# Altium PCB STM32最小系统.PcbDoc (part 4 of 4)
Units mil, origin at the board's own origin, x right, y up, seen from the top; angles counter-clockwise.
Board outline 25145 x 22655 mil, 2 copper layers (Top Layer, Bottom Layer); 72 components, 145 nets, 556 pads, 0 vias.
Unrouted connection lines stored in the file: 8.
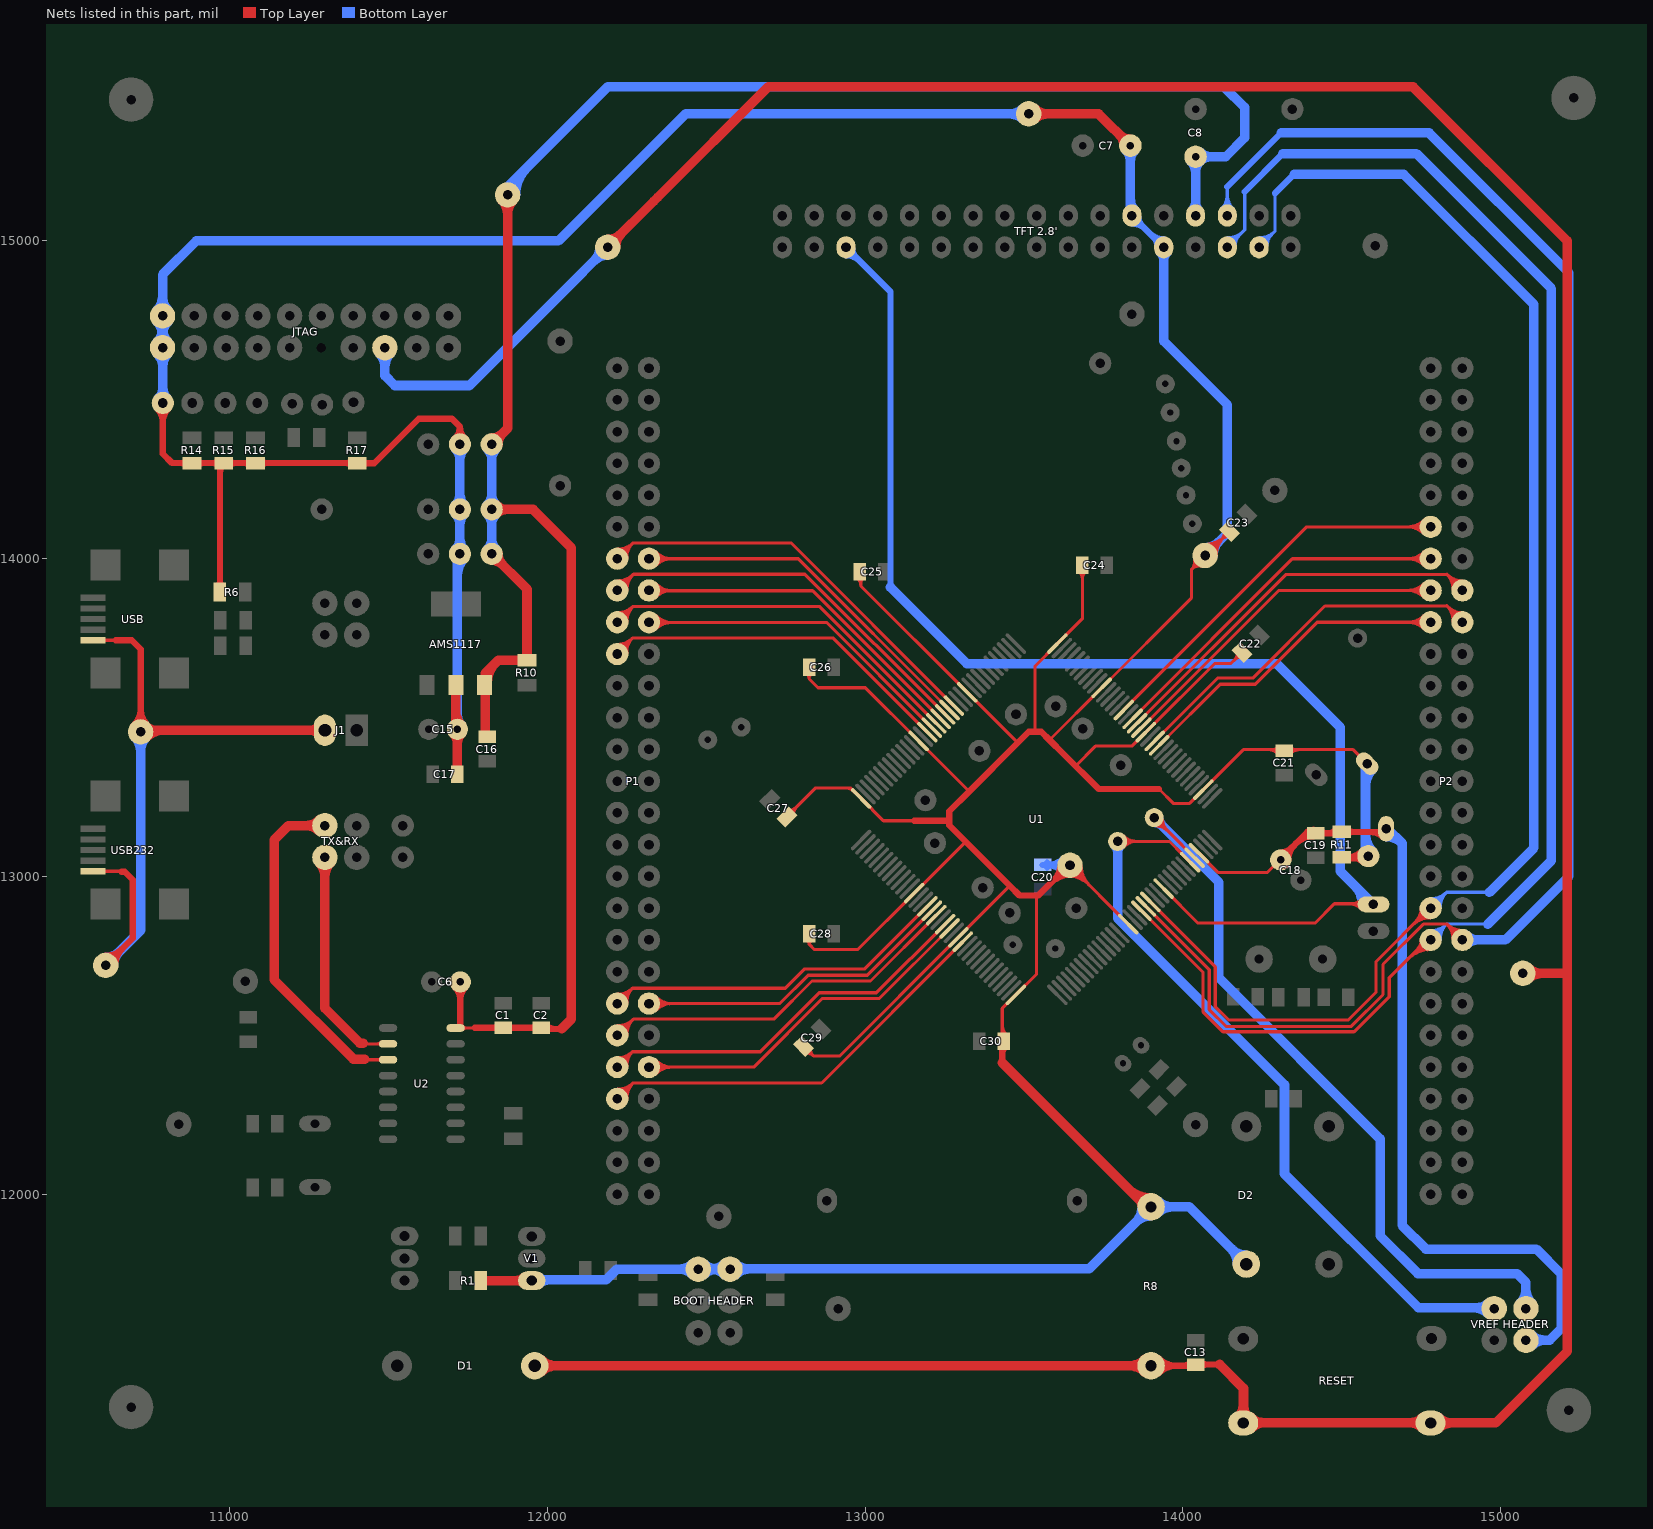
[diagram p4: the nets of this part, all layers, seen from the top]

## Nets (pads, with @x,y where several pads share a name; then routed paths per layer and width w, separated by ;. In a path a pad name is that pad's centre, name@x,y a point inside that pad or via, vN(x,y) a via of type N, cw(c..) or ccw(c..) an arc to the next point about the centre after c; other vN are vias at no path point) (continued)
PF8: "TFT 2.8'.29" P2.18 U1.20 | length 6051.6
  Top Layer w10: U1.20@13869.89,12891.87 14064,12697.76 14064,12573 14126,12511 14539,12511 14649.5,12621.5 14649.5,12681.5 14769,12801 P2.18@14780,12801 ; P2.18@14780,12800 P2.18@14800,12800 ; 14708.3,12740.3 cw(c14780,12668.6) 14780,12770 ccw(c14780,12668.6) 14708.3,12740.3 ; 14725.37,12757.37 cw(c14780,12702.75) 14780,12780 ccw(c14780,12702.75) 14725.37,12757.37 ; 14737.27,12769.27 ccw(c14706.54,12800) 14750,12800 cw(c14706.54,12800) 14737.27,12769.27 ; 14742.44,12774.44 cw(c14780,12736.89) 14780,12790 ccw(c14780,12736.89) 14742.44,12774.44
  Bottom Layer w10: 14140,14980 14195,15035 14195,15155 ; P2.18@14780,12800 14830,12850 ; 14960,12850 14830,12850 ; 14813.33,12833.33 cw(c14781.12,12865.54) 14780.34,12820 ccw(c14781.12,12865.54) 14813.33,12833.33 ; 14813.33,12833.33 ccw(c14845.54,12801.12) 14800,12800.34 cw(c14845.54,12801.12) 14813.33,12833.33 ; 14830,12850 cw(c14781.69,12898.31) 14780.51,12830 ccw(c14781.69,12898.31) 14830,12850 ; 14830,12850 ccw(c14878.31,12801.69) 14810,12800.51 cw(c14878.31,12801.69) 14830,12850 ; 14140,15000 ccw(c14140,15048.28) 14174.14,15014.14 cw(c14140,15048.28) 14140,15000 ; 14140,15010 ccw(c14140,15082.43) 14191.21,15031.21 cw(c14140,15082.43) 14140,15010 ; 14165,14985 cw(c14213.28,14985) 14179.14,15019.14 ccw(c14213.28,14985) 14165,14985
  Bottom Layer w20: 14195,15155 14315,15275
  Bottom Layer w30: 14315,15275 14735,15275 15160,14850 15160,13050 14960,12850
PF9: "TFT 2.8'.30" P2.17 U1.21 | length 5993.1
  Top Layer w10: U1.21@13883.81,12905.79 14083,12706.6 14083,12581 14136,12528 14530,12528 14630,12628 14630,12723 14757,12850 14831,12850 P2.17@14881,12800 ; 14830.5,12850.5 cw(c14783.3,12803.29) 14850.02,12801.02 ccw(c14783.3,12803.29) 14830.5,12850.5 ; 14830.5,12850.5 ccw(c14879.99,12899.98) 14880,12830 cw(c14879.99,12899.98) 14830.5,12850.5 ; 14846.78,12834.22 cw(c14814.79,12802.22) 14860.01,12800.68 ccw(c14814.79,12802.22) 14846.78,12834.22 ; 14847.57,12833.43 ccw(c14879.99,12865.85) 14880,12820 cw(c14879.99,12865.85) 14847.57,12833.43
  Bottom Layer w10: 14140,15080 14140,15170 ; 14140,15121.21 cw(c14103.79,15121.21) 14129.39,15095.61 ccw(c14103.79,15121.21) 14140,15121.21 ; 14140,15121.21 ccw(c14176.21,15121.21) 14150.61,15095.61 cw(c14176.21,15121.21) 14140,15121.21 ; 14140,15145.36 cw(c14079.64,15145.36) 14122.32,15102.68 ccw(c14079.64,15145.36) 14140,15145.36 ; 14140,15145.36 ccw(c14200.36,15145.36) 14157.68,15102.68 cw(c14200.36,15145.36) 14140,15145.36
  Bottom Layer w20: 14140,15170 14310,15340
  Bottom Layer w30: 14310,15340 14775,15340 15215,14900 15215,13000 15015,12800 P2.17@14880,12800 ; 14928.28,12800 cw(c14928.28,12848.28) 14894.14,12814.14 ccw(c14928.28,12848.28) 14928.28,12800 ; 14928.28,12800 ccw(c14928.28,12751.72) 14894.14,12785.86 cw(c14928.28,12751.72) 14928.28,12800
PF10: "TFT 2.8'.31" P2.20 U1.22 | length 5623.2
  Top Layer w10: U1.22@13897.73,12919.71 14102,12715.44 14102,12590 14144,12548 14521,12548 14608,12635 14608,12732 14774,12898 P2.20@14781,12898 ; 14721.96,12845.96 cw(c14780,12787.92) 14780,12870 ccw(c14780,12787.92) 14721.96,12845.96 ; 14731.62,12855.62 ccw(c14687.23,12900) 14750,12900 cw(c14687.23,12900) 14731.62,12855.62 ; 14739.03,12863.03 cw(c14780,12822.06) 14780,12880 ccw(c14780,12822.06) 14739.03,12863.03 ; 14748.69,12872.69 ccw(c14721.37,12900) 14760,12900 cw(c14721.37,12900) 14748.69,12872.69
  Bottom Layer w10: 14240,14980 14290,15030 ; 14290,15150 14290,15030 ; P2.20@14785,12905 14830,12950 ; 14965,12950 14830,12950 ; 14290,15030 cw(c14241.68,15078.31) 14240.45,15010 ccw(c14241.68,15078.31) 14290,15030 ; 14813.33,12933.33 cw(c14781.12,12965.54) 14780.34,12920 ccw(c14781.12,12965.54) 14813.33,12933.33 ; 14813.33,12933.33 ccw(c14845.54,12901.12) 14800,12900.34 cw(c14845.54,12901.12) 14813.33,12933.33 ; 14830,12950 cw(c14781.69,12998.31) 14780.51,12930 ccw(c14781.69,12998.31) 14830,12950 ; 14830,12950 ccw(c14878.31,12901.69) 14810,12900.51 cw(c14878.31,12901.69) 14830,12950 ; 14240.27,15000 ccw(c14241.09,15045.61) 14273.35,15013.35 cw(c14241.09,15045.61) 14240.27,15000 ; 14265,14985 cw(c14313.28,14985) 14279.14,15019.14 ccw(c14313.28,14985) 14265,14985
  Bottom Layer w20: 14290,15150 14350,15210
  Bottom Layer w30: 14350,15210 14695,15210 15105,14800 15105,13090 14965,12950
PF11: P2.38 U1.49 | length 1414.9
  Top Layer w10: U1.49@13925,13412 14118,13605 14228,13605 14423,13800 P2.38@14800,13800 ; 14707.57,13800 cw(c14707.57,13727.57) 14758.79,13778.79 ccw(c14707.57,13727.57) 14707.57,13800 ; 14707.57,13800 ccw(c14707.57,13872.43) 14758.79,13821.21 cw(c14707.57,13872.43) 14707.57,13800 ; 14731.72,13800 cw(c14731.72,13751.72) 14765.86,13785.86 ccw(c14731.72,13751.72) 14731.72,13800 ; 14731.72,13800 ccw(c14731.72,13848.28) 14765.86,13814.14 cw(c14731.72,13848.28) 14731.72,13800
PF12: P2.37 U1.50 | length 1543
  Top Layer w10: U1.50@13911.65,13426.37 14109.27,13624 14220,13624 14447,13851 14832,13851 14883,13800 P2.37@14900,13800 ; 14830.5,13852.5 cw(c14783.11,13805.1) 14850.04,13801.58 ccw(c14783.11,13805.1) 14830.5,13852.5 ; 14833.91,13849.09 ccw(c14880,13895.18) 14880,13830 cw(c14880,13895.18) 14833.91,13849.09 ; 14846.38,13836.62 cw(c14813.27,13803.51) 14860.03,13801.05 ccw(c14813.27,13803.51) 14846.38,13836.62 ; 14850.98,13832.02 ccw(c14880,13861.04) 14880,13820 cw(c14880,13861.04) 14850.98,13832.02
PF13: P2.40 U1.53 | length 1489.6
  Top Layer w10: U1.53@13869,13467 14302,13900 P2.40@14800,13900 ; 14707.57,13900 cw(c14707.57,13827.57) 14758.79,13878.79 ccw(c14707.57,13827.57) 14707.57,13900 ; 14707.57,13900 ccw(c14707.57,13972.43) 14758.79,13921.21 cw(c14707.57,13972.43) 14707.57,13900 ; 14731.72,13900 cw(c14731.72,13851.72) 14765.86,13885.86 ccw(c14731.72,13851.72) 14731.72,13900 ; 14731.72,13900 ccw(c14731.72,13948.28) 14765.86,13914.14 cw(c14731.72,13948.28) 14731.72,13900
PF14: P2.39 U1.54 | length 1617.4
  Top Layer w10: U1.54@13855.97,13482.05 14323.92,13950 14832,13950 14882,13900 P2.39@14900,13900 ; 14831,13951 cw(c14784.84,13904.84) 14850.04,13901.52 ccw(c14784.84,13904.84) 14831,13951 ; 14832.2,13949.8 ccw(c14880,13997.6) 14880,13930 cw(c14880,13997.6) 14832.2,13949.8 ; 14846.92,13935.08 cw(c14815.13,13903.3) 14860.03,13901.02 ccw(c14815.13,13903.3) 14846.92,13935.08 ; 14849.27,13932.73 ccw(c14880,13963.46) 14880,13920 cw(c14880,13963.46) 14849.27,13932.73
PF15: P2.42 U1.55 | length 1552.6
  Top Layer w10: U1.55@13837,13492 14345,14000 P2.42@14800,14000 ; 14707.57,14000 cw(c14707.57,13927.57) 14758.79,13978.79 ccw(c14707.57,13927.57) 14707.57,14000 ; 14707.57,14000 ccw(c14707.57,14072.43) 14758.79,14021.21 cw(c14707.57,14072.43) 14707.57,14000 ; 14731.72,14000 cw(c14731.72,13951.72) 14765.86,13985.86 ccw(c14731.72,13951.72) 14731.72,14000 ; 14731.72,14000 ccw(c14731.72,14048.28) 14765.86,14014.14 cw(c14731.72,14048.28) 14731.72,14000
PG1: P2.44 U1.57 | length 1605.2
  Top Layer w10: U1.57@13813,13523 14390,14100 P2.44@14800,14100 ; 14707.57,14100 cw(c14707.57,14027.57) 14758.79,14078.79 ccw(c14707.57,14027.57) 14707.57,14100 ; 14707.57,14100 ccw(c14707.57,14172.43) 14758.79,14121.21 cw(c14707.57,14172.43) 14707.57,14100 ; 14731.72,14100 cw(c14731.72,14051.72) 14765.86,14085.86 ccw(c14731.72,14051.72) 14731.72,14100 ; 14731.72,14100 ccw(c14731.72,14148.28) 14765.86,14114.14 cw(c14731.72,14148.28) 14731.72,14100
PG2: P1.42 U1.87 | length 1646
  Top Layer w10: P1.42@12220,14000 12269,14049 ; U1.87@13279.71,13537.73 12768.44,14049 12269,14049 ; 12252.66,14032.66 cw(c12222.01,14063.32) 12220.64,14019.99 ccw(c12222.01,14063.32) 12252.66,14032.66 ; 12252.66,14032.66 ccw(c12283.32,14002.01) 12239.99,14000.64 cw(c12283.32,14002.01) 12252.66,14032.66 ; 12269,14049 cw(c12223.02,14094.98) 12220.95,14029.98 ccw(c12223.02,14094.98) 12269,14049 ; 12269,14049 ccw(c12314.98,14003.02) 12249.98,14000.95 cw(c12314.98,14003.02) 12269,14049
PG3: P1.41 U1.88 | length 1522.3
  Top Layer w10: P1.41@12320,14000 12789.6,14000 U1.88@13265.79,13523.81 ; 12368.28,14000 cw(c12368.28,14048.28) 12334.14,14014.14 ccw(c12368.28,14048.28) 12368.28,14000 ; 12368.28,14000 ccw(c12368.28,13951.72) 12334.14,13985.86 cw(c12368.28,13951.72) 12368.28,14000 ; 12392.43,14000 cw(c12392.43,14072.43) 12341.21,14021.21 ccw(c12392.43,14072.43) 12392.43,14000 ; 12392.43,14000 ccw(c12392.43,13927.57) 12341.21,13978.79 cw(c12392.43,13927.57) 12392.43,14000
PG4: P1.40 U1.89 | length 1612.5
  Top Layer w10: P1.40@12220,13900 12271,13951 ; U1.89@13251.87,13509.89 12810.76,13951 12271,13951 ; 12254,13934 cw(c12220.2,13967.79) 12220.06,13920 ccw(c12220.2,13967.79) 12254,13934 ; 12254,13934 ccw(c12287.79,13900.2) 12240,13900.06 cw(c12287.79,13900.2) 12254,13934 ; 12271,13951 cw(c12220.3,14001.69) 12220.09,13930 ccw(c12220.3,14001.69) 12271,13951 ; 12271,13951 ccw(c12321.69,13900.3) 12250,13900.09 cw(c12321.69,13900.3) 12271,13951
PG5: P1.39 U1.90 | length 1464.1
  Top Layer w10: P1.39@12320,13899 12834.92,13899 U1.90@13237.95,13495.97 ; P1.39@12334.14,13885.86 cw(c12365.87,13854.13) 12365.87,13899 ccw(c12365.87,13854.13) P1.39@12334.14,13885.86 ; P1.39@12334.14,13914.14 ccw(c12370.7,13950.7) 12370.7,13899 cw(c12370.7,13950.7) P1.39@12334.14,13914.14 ; P1.39@12341.21,13878.79 cw(c12390.01,13829.99) 12390.01,13899 ccw(c12390.01,13829.99) P1.39@12341.21,13878.79 ; P1.39@12341.21,13921.21 ccw(c12394.84,13974.84) 12394.84,13899 cw(c12394.84,13974.84) P1.39@12341.21,13921.21
PG6: P1.38 U1.91 | length 1542.7
  Top Layer w10: P1.38@12220,13800 12270,13850 ; U1.91@13224.03,13482.05 12856.08,13850 12270,13850 ; 12253.33,13833.33 cw(c12221.12,13865.54) 12220.34,13820 ccw(c12221.12,13865.54) 12253.33,13833.33 ; 12253.33,13833.33 ccw(c12285.54,13801.12) 12240,13800.34 cw(c12285.54,13801.12) 12253.33,13833.33 ; 12270,13850 cw(c12221.69,13898.31) 12220.51,13830 ccw(c12221.69,13898.31) 12270,13850 ; 12270,13850 ccw(c12318.31,13801.69) 12250,13800.51 cw(c12318.31,13801.69) 12270,13850
PG7: P1.37 U1.92 | length 1406.4
  Top Layer w10: P1.37@12320,13799 12879.24,13799 U1.92@13210.11,13468.13 ; P1.37@12334.14,13785.86 cw(c12365.87,13754.13) 12365.87,13799 ccw(c12365.87,13754.13) P1.37@12334.14,13785.86 ; P1.37@12334.14,13814.14 ccw(c12370.7,13850.7) 12370.7,13799 cw(c12370.7,13850.7) P1.37@12334.14,13814.14 ; P1.37@12341.21,13778.79 cw(c12390.01,13729.99) 12390.01,13799 ccw(c12390.01,13729.99) P1.37@12341.21,13778.79 ; P1.37@12341.21,13821.21 ccw(c12394.84,13874.84) 12394.84,13799 cw(c12394.84,13874.84) P1.37@12341.21,13821.21
PG8: P1.36 U1.93 | length 1473.7
  Top Layer w10: P1.36@12220,13700 12220,13702 12268,13750 ; U1.93@13196.19,13454.21 12900.4,13750 12268,13750 ; 12268,13750 ccw(c12311.93,13706.07) 12249.93,13701.98 cw(c12311.93,13706.07) 12268,13750 ; P1.36@12220,13720 ccw(c12220,13763.46) 12250.73,13732.73 cw(c12220,13763.46) P1.36@12220,13720 ; P1.36@12220,13730 ccw(c12220,13797.6) 12267.8,13749.8 cw(c12220,13797.6) P1.36@12220,13730 ; P1.36@12239.96,13701.32 cw(c12282.67,13704.13) 12252.4,13734.4 ccw(c12282.67,13704.13) P1.36@12239.96,13701.32
PG9: P1.14 U1.124 | length 1445.7
  Top Layer w10: P1.14@12220,12600 12268,12648 ; U1.124@13196.19,12905.79 12999.4,12709 12810,12709 12749,12648 12268,12648 ; 12252,12632 cw(c12222.87,12661.13) 12220.94,12619.98 ccw(c12222.87,12661.13) 12252,12632 ; 12252,12632 ccw(c12281.13,12602.87) 12239.98,12600.94 cw(c12281.13,12602.87) 12252,12632 ; 12268,12648 cw(c12224.3,12691.69) 12221.41,12629.97 ccw(c12224.3,12691.69) 12268,12648 ; 12268,12648 ccw(c12311.69,12604.3) 12249.97,12601.41 cw(c12311.69,12604.3) 12268,12648
PG10: P1.13 U1.125 | length 1390.2
  Top Layer w10: P1.13@12320,12600 12732,12600 12821,12689 13007.24,12689 U1.125@13210.11,12891.87 ; 12368.28,12600 cw(c12368.28,12648.28) 12334.14,12614.14 ccw(c12368.28,12648.28) 12368.28,12600 ; 12368.28,12600 ccw(c12368.28,12551.72) 12334.14,12585.86 cw(c12368.28,12551.72) 12368.28,12600 ; 12392.43,12600 cw(c12392.43,12672.43) 12341.21,12621.21 ccw(c12392.43,12672.43) 12392.43,12600 ; 12392.43,12600 ccw(c12392.43,12527.57) 12341.21,12578.79 cw(c12392.43,12527.57) 12392.43,12600
PG11: P1.12 U1.126 | length 1537.4
  Top Layer w10: P1.12@12220,12500 12271,12551 ; U1.126@13224.03,12877.95 13017.08,12671 12833,12671 12713,12551 12271,12551 ; 12254,12534 cw(c12220.2,12567.79) 12220.06,12520 ccw(c12220.2,12567.79) 12254,12534 ; 12254,12534 ccw(c12287.79,12500.2) 12240,12500.06 cw(c12287.79,12500.2) 12254,12534 ; 12271,12551 cw(c12220.3,12601.69) 12220.09,12530 ccw(c12220.3,12601.69) 12271,12551 ; 12271,12551 ccw(c12321.69,12500.3) 12250,12500.09 cw(c12321.69,12500.3) 12271,12551
PG13: P1.10 U1.128 | length 1561.2
  Top Layer w10: P1.10@12220,12400 12268,12448 ; U1.128@13251.87,12850.11 13035.76,12634 12856,12634 12670,12448 12268,12448 ; 12252,12432 cw(c12222.87,12461.13) 12220.94,12419.98 ccw(c12222.87,12461.13) 12252,12432 ; 12252,12432 ccw(c12281.13,12402.87) 12239.98,12400.94 cw(c12281.13,12402.87) 12252,12432 ; 12268,12448 cw(c12224.3,12491.69) 12221.41,12429.97 ccw(c12224.3,12491.69) 12268,12448 ; 12268,12448 ccw(c12311.69,12404.3) 12249.97,12401.41 cw(c12311.69,12404.3) 12268,12448
PG14: P1.9 U1.129 | length 1505.7
  Top Layer w10: P1.9@12320,12400 12650,12400 12866,12616 13045.6,12616 U1.129@13265.79,12836.19 ; 12368.28,12400 cw(c12368.28,12448.28) 12334.14,12414.14 ccw(c12368.28,12448.28) 12368.28,12400 ; 12368.28,12400 ccw(c12368.28,12351.72) 12334.14,12385.86 cw(c12368.28,12351.72) 12368.28,12400 ; 12392.43,12400 cw(c12392.43,12472.43) 12341.21,12421.21 ccw(c12392.43,12472.43) 12392.43,12400 ; 12392.43,12400 ccw(c12392.43,12327.57) 12341.21,12378.79 cw(c12392.43,12327.57) 12392.43,12400
PG15: P1.8 U1.132 | length 1657.9
  Top Layer w10: P1.8@12220,12300 12270,12350 ; U1.132@13307.55,12794.43 12863.11,12350 12270,12350 ; 12253.33,12333.33 cw(c12221.12,12365.54) 12220.34,12320 ccw(c12221.12,12365.54) 12253.33,12333.33 ; 12253.33,12333.33 ccw(c12285.54,12301.12) 12240,12300.34 cw(c12285.54,12301.12) 12253.33,12333.33 ; 12270,12350 cw(c12221.69,12398.31) 12220.51,12330 ccw(c12221.69,12398.31) 12270,12350 ; 12270,12350 ccw(c12318.31,12301.69) 12250,12300.51 cw(c12318.31,12301.69) 12270,12350
RESET: "TFT 2.8'.5" C13.2 D1.1 JTAG.15 pad.3@14600,12912 pad.10@12190,14980 pad.11@15070,12695 R8.1 RESET.1 U1.25 | length 18392.6
  Top Layer w10: U1.25@13939.49,12961.46 14047.95,12853 14416,12853 14477,12914 14558,12914 pad.3@14567,12905 ; 14521.89,12914 cw(c14521.89,12858.89) 14560.86,12897.86 ccw(c14521.89,12858.89) 14521.89,12914 ; 14531.54,12914 ccw(c14531.54,12955.46) 14560.86,12926.14 cw(c14531.54,12955.46) 14531.54,12914 ; 14546.03,12914 cw(c14546.03,12883.03) 14567.93,12904.93 ccw(c14546.03,12883.03) 14546.03,12914
  Top Layer w20: R8.1@13900,11460 C13.2@14035,11460 ; C13.2@14041,11463.91 14116.09,11463.91 ; 13980.41,11460 cw(c13980.41,11540.41) 13923.55,11483.55 ccw(c13980.41,11540.41) 13980.41,11460 ; 13980.41,11460 ccw(c13980.41,11379.59) 13923.55,11436.45 cw(c13980.41,11379.59) 13980.41,11460 ; 14072.26,11463.91 cw(c14072.26,11487.29) 14055.72,11470.76 ccw(c14072.26,11487.29) 14072.26,11463.91 ; 14072.26,11463.91 ccw(c14072.26,11440.53) 14055.72,11457.06 cw(c14072.26,11440.53) 14072.26,11463.91 ; 14000.3,11460 ccw(c14000.3,11496.74) 14026.28,11470.76 cw(c14000.3,11496.74) 14000.3,11460
  Top Layer w30: D1.1@11970,11460 R8.1@13900,11460 ; pad.10@12190,14985 pad.10@12190,14980 12347.5,15137.5 ; 12335,15125 12347.5,15137.5 ; C13.2@14035,11460 C13.2@14041,11466 ; 14116.09,11463.91 14191,11389 14191,11281 RESET.1@14778,11281 ; RESET.1@14780,11280 14985,11280 15210,11505 15210,12695 ; pad.11@15065,12695 pad.11@15070,12695 15210,12695 ; 12028.34,11460 cw(c12028.34,11528.34) 11980.02,11480.02 ccw(c12028.34,11528.34) 12028.34,11460 ; 12028.34,11460 ccw(c12028.34,11391.66) 11980.02,11439.98 cw(c12028.34,11391.66) 12028.34,11460 ; 12232.68,15022.68 cw(c12190,15065.36) 12190,15005 ccw(c12190,15065.36) 12232.68,15022.68 ; 12232.68,15022.68 ccw(c12275.36,14980) 12215,14980 cw(c12275.36,14980) 12232.68,15022.68 ; 12347.5,15137.5 12695,15485 14725,15485 15210,15000 15210,12695 ; 13831.66,11460 cw(c13831.66,11391.66) 13879.98,11439.98 ccw(c13831.66,11391.66) 13831.66,11460 ; 13831.66,11460 ccw(c13831.66,11528.34) 13879.98,11480.02 cw(c13831.66,11528.34) 13831.66,11460 ; 14846.71,11280 cw(c14846.71,11338.83) 14805.11,11297.23 ccw(c14846.71,11338.83) 14846.71,11280 ; 14846.71,11280 ccw(c14846.71,11221.17) 14805.11,11262.77 cw(c14846.71,11221.17) 14846.71,11280 ; 15130.36,12695 cw(c15130.36,12755.36) 15087.68,12712.68 ccw(c15130.36,12755.36) 15130.36,12695 ; 15130.36,12695 ccw(c15130.36,12634.64) 15087.68,12677.32 cw(c15130.36,12634.64) 15130.36,12695 ; RESET.1@14172.77,11297.23 ccw(c14128.75,11341.25) 14191,11341.25 cw(c14128.75,11341.25) RESET.1@14172.77,11297.23 ; 14191,11336.42 ccw(c14246.42,11336.42) 14207.23,11297.23 cw(c14246.42,11336.42) 14191,11336.42 ; RESET.1@14215.11,11262.77 cw(c14259.12,11218.75) 14259.12,11281 ccw(c14259.12,11218.75) RESET.1@14215.11,11262.77 ; RESET.1@14215.11,11297.23 ccw(c14254.29,11336.42) 14254.29,11281 cw(c14254.29,11336.42) RESET.1@14215.11,11297.23 ; 14710.88,11281 cw(c14710.88,11218.75) 14754.89,11262.77 ccw(c14710.88,11218.75) 14710.88,11281 ; 14715.71,11281 ccw(c14715.71,11336.42) 14754.89,11297.23 cw(c14715.71,11336.42) 14715.71,11281
  Bottom Layer w20: 12940,14980 13080,14840 13080,13910 ; 12940,14955 cw(c12940,14894.64) 12982.68,14937.32 ccw(c12940,14894.64) 12940,14955 ; 12960,14975 ccw(c12996.21,14975) 12970.61,14949.39 cw(c12996.21,14975) 12960,14975
  Bottom Layer w30: JTAG.15@11489,14664 11489,14576 11520,14545 11755,14545 12040,14830 ; 12055,14845 12040,14830 ; pad.10@12190,14980 12040,14830 ; 13080,13910 13320,13670 14295,13670 14495,13470 14495,13017 pad.3@14600,12912 ; 11489,14603.64 cw(c11549.36,14603.64) 11506.68,14646.32 ccw(c11549.36,14603.64) 11489,14603.64 ; 11489,14603.64 ccw(c11428.64,14603.64) 11471.32,14646.32 cw(c11428.64,14603.64) 11489,14603.64 ; 12147.32,14937.32 cw(c12190,14894.64) 12190,14955 ccw(c12190,14894.64) 12147.32,14937.32 ; 12147.32,14937.32 ccw(c12104.64,14980) 12165,14980 cw(c12104.64,14980) 12147.32,14937.32 ; 14540.25,12971.75 cw(c14480.5,12912) 14565,12912 ccw(c14480.5,12912) 14540.25,12971.75
RXD: TX&RX.4 U2.3 | length 1328.6
  Top Layer w10: 11427,12423 U2.3@11498.7,12423 ; 11464.8,12423 cw(c11464.8,12406.1) 11476.75,12418.05 ccw(c11464.8,12406.1) 11464.8,12423 ; 11464.8,12423 ccw(c11464.8,12439.9) 11476.75,12427.95 cw(c11464.8,12439.9) 11464.8,12423
  Top Layer w20: TX&RX.4@11300,13160 TX&RX.4@11305,13160 ; 11425,12423 11427,12423
  Top Layer w30: TX&RX.4@11300,13160 11185,13160 11140,13115 11140,12675 11390,12425 11425,12425 ; 11239.64,13160 cw(c11239.64,13099.64) 11282.32,13142.32 ccw(c11239.64,13099.64) 11239.64,13160 ; 11239.64,13160 ccw(c11239.64,13220.36) 11282.32,13177.68 cw(c11239.64,13220.36) 11239.64,13160
TXD: TX&RX.2 U2.2 | length 981.1
  Top Layer w10: 11423,12473 U2.2@11498.7,12473 ; 11464.8,12473 cw(c11464.8,12456.1) 11476.75,12468.05 ccw(c11464.8,12456.1) 11464.8,12473 ; 11464.8,12473 ccw(c11464.8,12489.9) 11476.75,12477.95 cw(c11464.8,12489.9) 11464.8,12473
  Top Layer w20: 11410,12475 11412,12473 11423,12473 ; U2.2@11498.7,12473 U2.2@11507,12473
  Top Layer w30: TX&RX.2@11300,13060 11300,12585 11410,12475 11420,12475 ; 11300,12999.64 cw(c11360.36,12999.64) 11317.68,13042.32 ccw(c11360.36,12999.64) 11300,12999.64 ; 11300,12999.64 ccw(c11239.64,12999.64) 11282.32,13042.32 cw(c11239.64,12999.64) 11300,12999.64
VCC3.3: "BOOT HEADER.1" "BOOT HEADER.2" "TFT 2.8'.24" "TFT 2.8'.25" AMS1117.2 C7.2 C15.1 C17.2 C20.2 C21.2 C22.2 C23.2 C24.2 C25.2 C26.2 C27.2 C28.2 C29.2 C30.2 D2.1 JTAG.1 JTAG.2 pad.0@14580,13355 pad.1@14584,13064 pad.2@10790,14490 pad.8@14070,14010 pad.9@11725,14015 pad.9@11725,14155 pad.9@11725,14360 pad.9@13515,15400 pad.25 R1.1 R6.1 R8.2 R11.2 R14.2 R15.2 R16.2 R17.2 U1.17 U1.39 U1.52 U1.62 U1.72 U1.84 U1.95 U1.108 U1.121 U1.131 U1.144 V1.1 | length 30173.8
  Top Layer w10: C27.2@12755,13190 12843,13278 12954.82,13278 U1.108@12987.4,13245.42 13057.82,13175 13155,13175 ; C29.2@12806.91,12465.49 12837.4,12435 ; C26.2@12823.5,13639 12823.5,13622.5 ; C28.2@12823.91,12819 12823.91,12786.33 ; C25.2@12986.91,13945.49 12986.91,13914.05 U1.84@13321.47,13579.49 13480.48,13420.48 ; 13245.82,13038.94 13240.94,13034.06 ; 13315,13105 13311.89,13105 13240.94,13034.06 ; 13330,13265 13329.73,13265 13327.36,13267.36 U1.95@13168.35,13426.37 13000.73,13594 12852,13594 12823.5,13622.5 ; C30.2@13432,12468 13432,12584.82 U1.144@13474.58,12627.4 13540,12692.82 13540,12940 ; 13455.64,12970.36 13405.27,12920 U1.131@13293.63,12808.35 12920.27,12435 12837.4,12435 ; 13535,13460 13535,13662.18 U1.72@13605.42,13732.6 13683.91,13811.09 C24.2@13683.91,13979 ; 13580.6,13429.4 U1.62@13744.62,13593.41 ; 13599.5,12245.5 13632,12213 ; pad.25@13645,13035 13645,13033.24 U1.17@13828.13,12850.11 ; 13662.5,13347.5 13725,13410 13839.6,13410 U1.52@13883.81,13454.21 ; U1.62@13741,13590 14026.91,13875.91 14026.91,13965.49 14145,14083.59 C23.2@14145,14085 ; U1.52@13887,13457 14100,13670 14151.41,13670 C22.2@14186.91,13705.49 ; R8.2@13889,11956 R8.2@13911,11956 ; 13925,13275 13970,13230 14021.5,13230 U1.39@14064.76,13273.26 14190.5,13399 14536,13399 pad.0@14580,13355 ; pad.1@14577,13057 pad.1@14584,13064 ; 12823.5,13622.49 cw(c12843.52,13622.49) 12832.21,13639.01 ccw(c12843.52,13622.49) 12823.5,13622.49 ; 12823.5,13622.49 ccw(c12802.34,13622.49) 12815.08,13639.4 cw(c12802.34,13622.49) 12823.5,13622.49 ; 12823.91,12786.33 cw(c12837.5,12786.33) 12830.97,12798.25 ccw(c12837.5,12786.33) 12823.91,12786.33 ; 12823.91,12786.33 ccw(c12810.33,12786.33) 12816.86,12798.25 cw(c12810.33,12786.33) 12823.91,12786.33 ; 12823.91,12786.33 12840.25,12770 12976.89,12770 U1.121@13154.43,12947.55 13240.94,13034.06 ; 12837.4,12435 cw(c12862.11,12459.72) 12827.16,12459.86 ccw(c12862.11,12459.72) 12837.4,12435 ; 12837.4,12435 ccw(c12812.68,12410.28) 12812.53,12445.24 cw(c12812.68,12410.28) 12837.4,12435 ; 13683.91,13935.67 cw(c13719.37,13935.67) 13694.3,13960.74 ccw(c13719.37,13935.67) 13683.91,13935.67 ; 13683.91,13935.67 ccw(c13648.46,13935.67) 13673.53,13960.74 cw(c13648.46,13935.67) 13683.91,13935.67 ; 14027.61,13966.2 cw(c14053.51,13940.31) 14061.94,13975.94 ccw(c14053.51,13940.31) 14027.61,13966.2 ; 14027.61,13966.2 ccw(c14003.16,13990.65) 14036.38,14000.27 cw(c14003.16,13990.65) 14027.61,13966.2 ; 14121.84,14060.42 cw(c14146.91,14035.35) 14146.91,14070.81 ccw(c14146.91,14035.35) 14121.84,14060.42 ; 14121.84,14060.42 ccw(c14096.77,14085.49) 14132.22,14085.49 cw(c14096.77,14085.49) 14121.84,14060.42 ; 14161.84,13680.42 cw(c14186.91,13655.35) 14186.91,13690.81 ccw(c14186.91,13655.35) 14161.84,13680.42 ; 14161.84,13680.42 ccw(c14136.77,13705.49) 14172.22,13705.49 cw(c14136.77,13705.49) 14161.84,13680.42 ; C27.2@12760.08,13207.16 ccw(c12760.08,13236.33) 12780.7,13215.7 cw(c12760.08,13236.33) C27.2@12760.08,13207.16 ; C27.2@12774.76,13192.47 cw(c12816.5,13192.47) 12786.99,13221.99 ccw(c12816.5,13192.47) C27.2@12774.76,13192.47 ; 12943.96,13278 cw(c12943.96,13254.88) 12960.31,13271.23 ccw(c12943.96,13254.88) 12943.96,13278 ; C25.2@12974.64,13939.74 cw(c12953.61,13913.93) 12986.91,13913.93 ccw(c12953.61,13913.93) C25.2@12974.64,13939.74 ; 12986.91,13922.9 cw(c13012.14,13922.9) 12994.3,13940.74 ccw(c13012.14,13922.9) 12986.91,13922.9 ; C30.2@13425.7,12499.26 ccw(c13410.5,12514.46) 13432,12514.46 cw(c13410.5,12514.46) C30.2@13425.7,12499.26 ; 13432,12510.05 ccw(c13457.26,12510.05) 13439.4,12492.19 cw(c13457.26,12510.05) 13432,12510.05 ; 13432,12534.19 ccw(c13481.41,12534.19) 13446.47,12499.26 cw(c13481.41,12534.19) 13432,12534.19 ; pad.25@13645,13000 cw(c13645,12919.75) 13701.75,12976.49 ccw(c13645,12919.75) pad.25@13645,13000 ; pad.25@13645,13010 cw(c13645,12953.89) 13684.68,12993.57 ccw(c13645,12953.89) pad.25@13645,13010 ; pad.25@13670,13035 ccw(c13734.6,13035) 13688.92,12989.32 cw(c13734.6,13035) pad.25@13670,13035 ; pad.25@13680,13035 ccw(c13768.74,13035) 13705.99,12972.25 cw(c13768.74,13035) pad.25@13680,13035 ; 14039.58,13978.17 ccw(c14021.73,13996.03) 14045.99,14003.05 cw(c14021.73,13996.03) 14039.58,13978.17 ; 14040.29,13978.87 cw(c14058.36,13960.81) 14064.24,13985.67 ccw(c14058.36,13960.81) 14040.29,13978.87 ; pad.8@14070,14035 ccw(c14070,14098.77) 14115.09,14053.68 cw(c14070,14098.77) pad.8@14070,14035 ; pad.8@14070,14045 ccw(c14070,14132.91) 14132.16,14070.75 cw(c14070,14132.91) pad.8@14070,14045 ; pad.8@14095,14010 cw(c14151.94,14010) 14111.68,14050.26 ccw(c14151.94,14010) pad.8@14095,14010 ; pad.8@14105,14010 cw(c14186.08,14010) 14128.75,14067.33 ccw(c14186.08,14010) pad.8@14105,14010 ; 14268.64,13399 cw(c14268.64,13353.6) 14300.74,13385.7 ccw(c14268.64,13353.6) 14268.64,13399 ; 14282.71,13399 ccw(c14282.71,13424.51) 14300.74,13406.47 cw(c14282.71,13424.51) 14282.71,13399 ; C21.2@14337.26,13385.7 cw(c14369.36,13353.6) 14369.36,13399 ccw(c14369.36,13353.6) C21.2@14337.26,13385.7 ; C21.2@14337.26,13406.47 ccw(c14355.29,13424.51) 14355.29,13399 cw(c14355.29,13424.51) C21.2@14337.26,13406.47